# KiCad board C816Classic.kicad_pcb (continued)
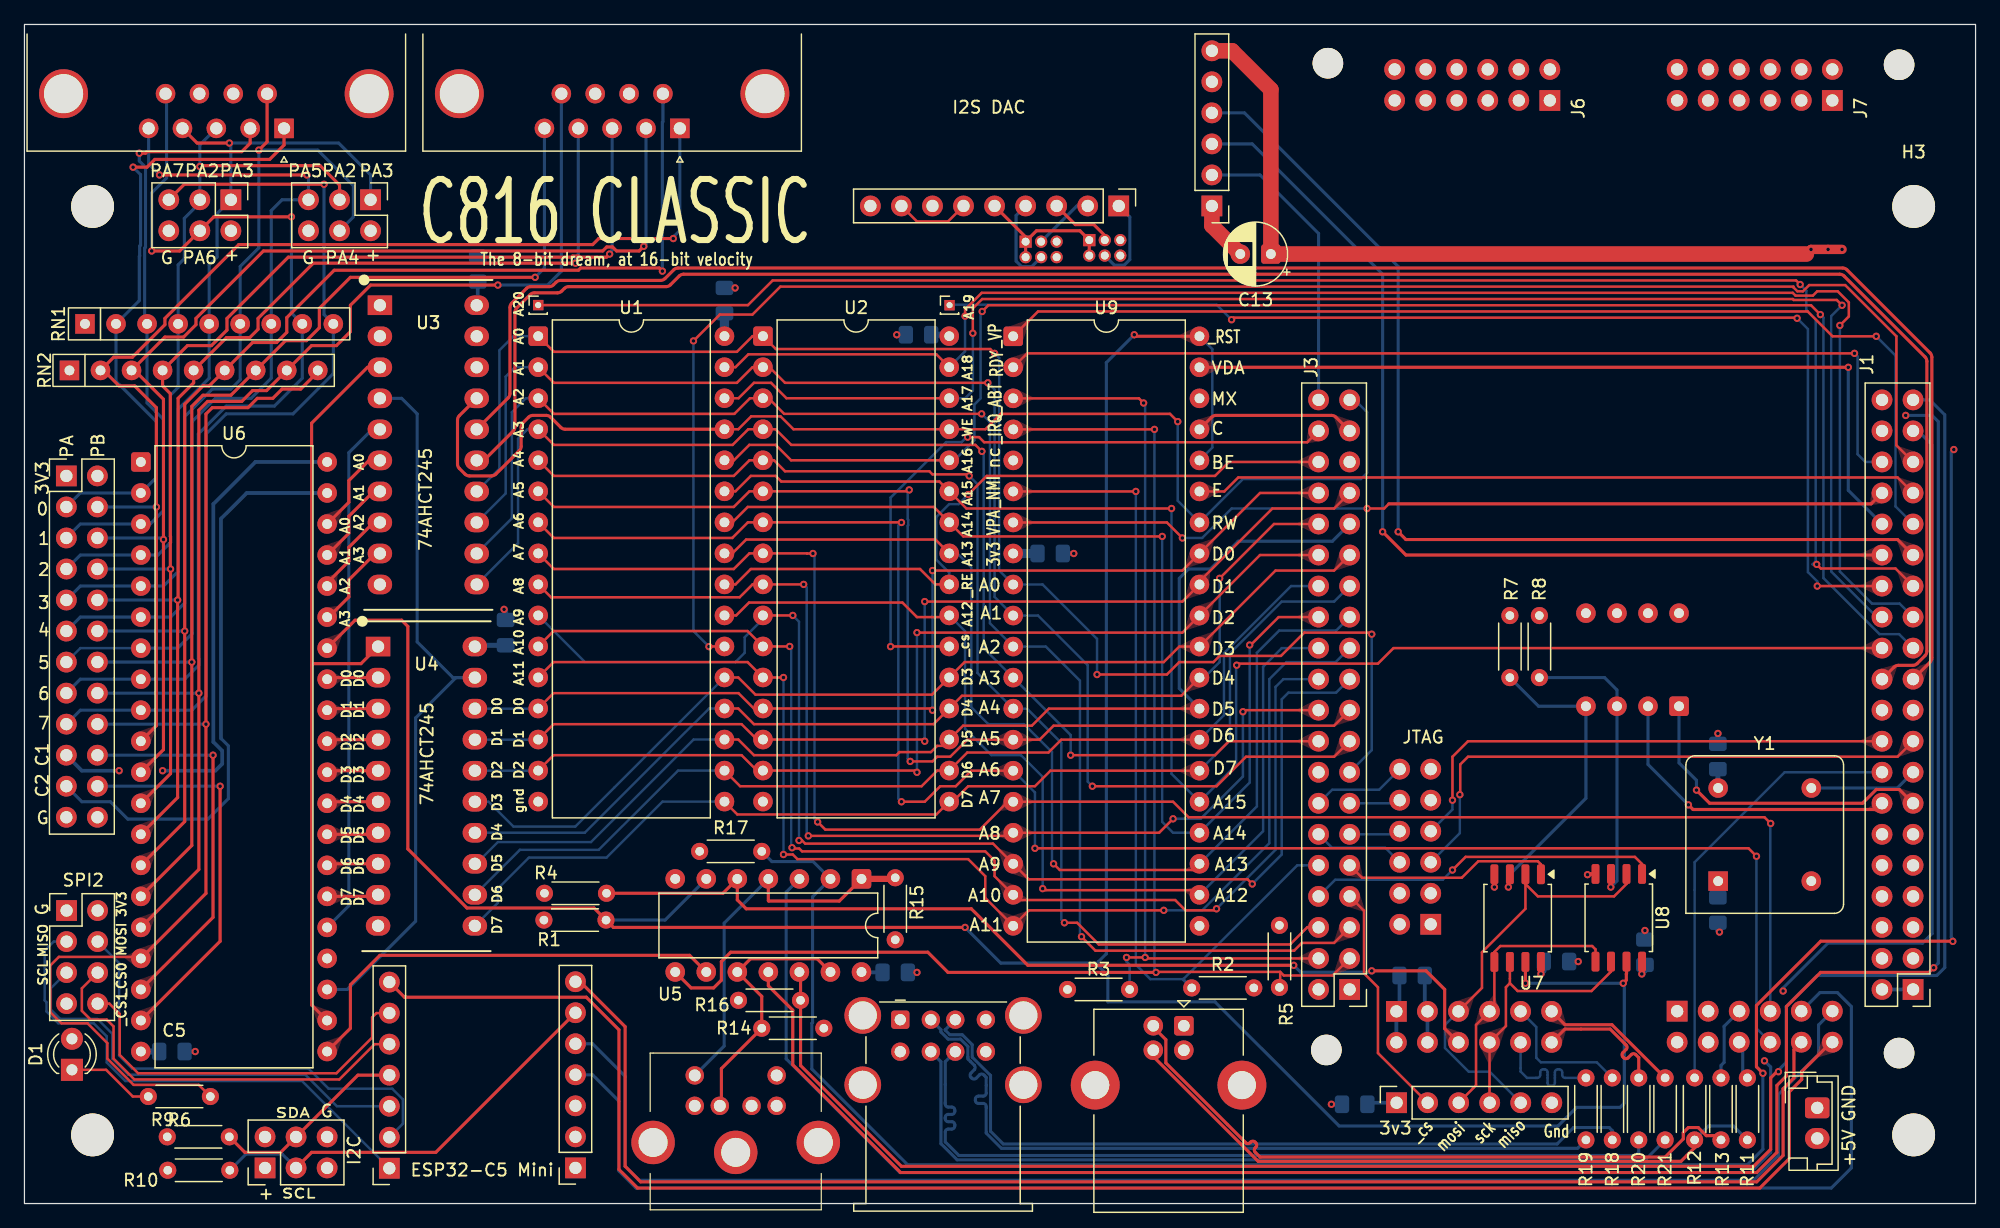
[diagram p0: board, top side]
## Nets
+3V3: C1.1 C2.1 C3.1 C4.1 C5.1 C6.1 C7.1 C8.1 C9.1 C10.1 C11.1 C12.1 D1.2 J1.1 J1.2 J2.1 J2.2 J3.1 J6.1 J6.2 J7.1 J7.2 J8.1 J8.2 J14.1 J15.1 J15.2 J18.1 J21.2 J22.2 J23.7 J24.7 R2.2 R3.2 R4.1 R5.1 R7.1 R8.1 R9.2 R10.2 R16.2 R17.1 RN1.1 RN2.1 U1.32 U2.32 U3.20 U4.20 U6.20 U6.24 U7.8 U8.8 U9.8 Y1.1 Y1.8
/3V3: J19.2
/A3V3: J4.1 J4.2 J5.1 J5.2 J10.5
/AGND: J10.6 J10.8
GND: C1.2 C2.2 C3.2 C4.2 C5.2 C6.2 C7.2 C8.2 C9.2 C10.2 C11.2 C12.2 C13.2 C14.2 J1.5 J1.6 J1.8 J2.3 J2.4 J3.2 J3.16 J4.5 J4.6 J5.5 J5.6 J6.3 J6.4 J7.3 J7.4 J8.3 J8.4 J9.1 J9.5 J13.1 J14.6 J15.23 J15.24 J17.4 J17.SH J18.6 J19.1 J20.2 J21.6 J22.6 J23.8 J24.8 J25.3 J25.7 J25.8 J25.9 J26.1 J26.2 J27.4 J27.8 J27.SH R1.2 SW1.5 SW1.6 SW1.7 SW1.8 U1.16 U2.16 U3.1 U3.10 U3.18 U3.19 U4.10 U5.7 U6.1 U7.4 U8.4 U9.21 Y1.4
VCC: C13.1 C14.1 J1.3 J1.4 J9.6 J13.2 J20.1 J25.4 J27.1 J27.5 R14.2 R15.1 U5.14
/ A13_IOR32A_READY: J1.20
/_CS0: J16.5 J19.6
/_CS1: J16.6 J19.8
/_CS2_VIA: U3.4 U4.19 U6.23
/_IRQ.2: U5.9 U6.21
/_RWVIA: U3.3 U4.1 U6.22
/_WPFLASH: R7.2 SW1.4 U7.3
/_WPFLASH2: R8.2 SW1.3 U8.3
/CA1: J15.19 U6.40
/CA2: J15.21 U6.39
/CB1: J15.20 U6.18
/CB2: J15.22 U6.19
/CLK_IN: J1.15 Y1.5
/DEMP: J5.3 J10.2
/DO NOT USE B10_IOR31B_~{RECFG}: J1.19
/ESP_3V3: J20.3
/ESP_SCL: J18.3 J20.6 R10.1
/ESP_SDA: J16.4 J18.4 R9.1
/F_VCCO0&1: J1.11
/F_VCCO7: J1.12
/FLT: J4.4 J10.1
/FMT: J5.4 J10.4
/JTAG_TCK: J3.12 J26.6
/JTAG_TDI: J3.11 J26.8
/JTAG_TDO: J3.13 J26.10
/JTAG_TMS: J3.14 J26.12
/L: J10.9
/M11_IOR27B_FPGA_TXO: J1.18 J26.7
/MISO2: J16.1 J19.3
/MOSI2: J16.2 J19.4
/PA0: J15.3 J23.1 RN1.2 U6.2
/PA1: J15.5 J23.2 RN1.3 U6.3
/PA2: J15.7 J21.3 J22.3 J23.3 RN1.4 U6.4
/PA3: J15.9 J21.1 J22.1 J23.4 RN1.5 U6.5
/PA4: J15.11 J21.4 J23.6 RN1.6 U6.6
/PA5: J15.13 J21.5 J23.5 RN1.7 U6.7
/PA6: J15.15 J22.4 J23.9 RN1.8 U6.8
/PA7: J15.17 J22.5 RN1.9 U6.9
/PB0: J15.4 J24.1 RN2.2 U6.10
/PB1: J15.6 J24.2 RN2.3 U6.11
/PB2: J15.8 J24.3 RN2.4 U6.12
/PB3: J15.10 J24.4 RN2.5 U6.13
/PB4: J15.12 J24.6 RN2.6 U6.14
/PB5: J15.14 J24.5 RN2.7 U6.15
/PB6: J15.16 J24.9 RN2.8 U6.16
/PB7: J15.18 R6.1 RN2.9 U6.17
/PHI2.2: U3.5 U6.25
/PS2DAT: J25.1 R14.1 U5.10 U5.13
/PSCLK: J25.5 R15.2 U5.1 U5.4
/R: J10.7
/RS0: U3.6 U6.38
/RS1: U3.7 U6.37
/RS2: U3.8 U6.36
/RS3: U3.9 U6.35
/SCL2: J16.3 J19.5
/T3_IOB52B_1V5: J1.9
/T13_IOR8B_FPGA_RXO: J1.17 J26.5
/UD1-N: J27.2 R19.2
/UD1-P: J27.3 R18.2
/UD2-N: J27.6 R21.2
/UD2-P: J27.7 R20.2
/UD3N: J17.2 R13.2
/UD3P: J17.3 R11.2 R12.2
/VD0: U4.2 U6.33
/VD1: U4.3 U6.32
/VD2: U4.4 U6.31
/VD3: U4.5 U6.30
/VD4: U4.6 U6.29
/VD5: U4.7 U6.28
/VD6: U4.8 U6.27
/VD7: U4.9 U6.26
/XSMT: J4.3 J10.3
_ABT.: J3.4 R3.1 U9.3
_CE_RAM1: J3.38 U2.22
_CE_RAM2: J1.35 U1.22
_CESD: J3.7 J14.2
_CSFLASH: J3.9 U7.1
_CSFLASH2: J3.8 U8.1
_CSVIA: J1.21 U3.16
_IRQ.: J3.3 R5.2 U5.8 U9.4
_NMI.: J3.10 R2.1 U9.6
_RE: J3.36 U1.24 U2.24
_RESET: J2.6 R1.1 U5.5
_RESET.: R4.2 U5.6 U6.34 U7.7 U8.7 U9.36 U9.40
_VP.: J1.31 U9.1
A16: J1.23 U1.28 U2.28
A17: J1.26 U1.30 U2.30
A18: J1.25 U1.31 U2.31
A19: J1.28 J11.1
A20: J1.27 J12.1
A_0: J3.15 U1.1 U2.1 U3.14 U9.9
A_1: J3.17 U1.2 U2.2 U3.13 U9.10
A_2: J3.5 U1.3 U2.3 U3.12 U9.11
A_3: J3.18 U1.4 U2.4 U3.11 U9.12
A_4: J3.6 U1.5 U2.5 U9.13
A_5: J3.19 U1.6 U2.6 U9.14
A_6: J8.8 U1.7 U2.7 U9.15
A_7: J8.7 U1.8 U2.8 U9.16
A_8: J3.20 U1.9 U2.9 U9.17
A_9: J3.21 U1.10 U2.10 U9.18
A_10: J3.22 U1.11 U2.11 U9.19
A_11: J3.23 U1.12 U2.12 U9.20
A_12: J3.24 U1.23 U2.23 U9.22
A_13: J3.25 U1.25 U2.25 U9.23
A_14: J3.26 U1.26 U2.26 U9.24
A_15: J1.24 U1.27 U2.27 U9.25
B_TMDS0_N: J7.8
B_TMDS0_P: J7.7
B_TMDS1_N: J7.10
B_TMDS1_P: J7.9
B_TMDS2_N: J7.12
B_TMDS2_P: J7.11
B_TMDSC_N: J7.6
B_TMDSC_P: J7.5
CARD_DET: J1.7
CARD_WP: J1.10
CLKVIA: J1.22 U3.15
D0.: J3.34 U1.13 U2.13 U4.18 U9.33
D1.: J3.33 U1.14 U2.14 U4.17 U9.32
D2.: J3.30 U1.15 U2.15 U4.16 U9.31
D3.: J3.29 U1.21 U2.21 U4.15 U9.30
D4.: J3.32 U1.20 U2.20 U4.14 U9.29
D5.: J3.31 U1.19 U2.19 U4.13 U9.28
D6.: J3.28 U1.18 U2.18 U4.12 U9.27
D7.: J3.27 U1.17 U2.17 U4.11 U9.26
DATADIR: J3.35
E.: J1.33 U9.35
EPS_CTS: J8.9 J20.4
ESP_RTS: J8.11 J20.5
ESP_RX: J8.10 J20.7
ESP_TX: J8.12 J16.7
I2S_BCK: J3.40 J9.2
I2S_DIN: J1.30 J9.3
I2S_LRCK: J1.29 J9.4
MISO: J2.5 J14.5 U7.2 U8.2
MOSI: J2.7 J14.3 U7.5 U8.5
PHI2.: J3.37 U9.37
PS2CLKIN: J1.38 R17.2 U5.2
PS2CLKOUT: J1.37 U5.3
PS2DATIN: J1.39 R16.1 U5.12
PS2DATOUT: J1.40 U5.11
RDY.: J1.36 U9.2
RW.: J3.39 U1.29 U2.29 U3.17 U9.34
SCK: J2.8 J14.4 U7.6 U8.6
SW1: J1.13 SW1.1
SW2: J1.14 SW1.2
TMDS0_N: J6.9
TMDS0_P: J6.10
TMDS1_N: J6.7
TMDS1_P: J6.8
TMDS2_N: J6.5
TMDS2_P: J6.6
TMDSC_N: J6.11
TMDSC_P: J6.12
UD1N: J2.10 R19.1
UD1P: J2.9 R18.1
UD2N: J2.11 R21.1
UD2P: J2.12 R20.1
UD3_N: J8.5 R13.1
UD3_P: J8.6 R11.1
USB3_CON: J1.16 R12.1
VDA.: J1.32 U9.39
VPA.: J1.34 U9.7
Net-(D1-K): D1.1 R6.2

Pads without a net: J17 1; J18 2 5; J19 7; J23 SH; J24 SH; J25 2 6; J26 3 4 9 11; U3 2; U9 5 38

## Via types
v1: diameter 0.6, hole 0.3, Top to Bottom, 144 vias

## Routing (per net, layer and track width the routed paths; a pad name or vN(x,y) marks a point on that pad's centre or on a via; arc(x,y) is an arc through that point)
+3V3: length 29
  Top w0.406: v1(124.08,18.8) U7.8 ; v1(132.33,18.8) 132.33,19.79 132.35,19.8
  Bottom w0.305: U3.20 37.09,73.62 C9.1 ; J1.2 J1.1 ; C2.1 112.5,15.98 J2.1 J2.2 ; J14.1 110,8.25 C8.1
  Bottom w0.406: U4.20 36.96,45.7 C7.1 ; Y1.1 138.56,26.37 C12.1 ; C11.1 132.59,19.05 v1(132.33,18.8) ; C5.1 124.31,19.03 v1(124.08,18.8) ; Y1.8 138.56,34.04 C10.1
  Bottom w0.508: U2.32 75.55,71.12 C4.1 ; C6.1 U6.20
  Bottom w0.762: 75.57,71.1 U2.32 ; 82.89,53.21 U9.8 ; U1.32 57.28,71.01 C3.1
/A3V3: length 12.4
  Top w0.254: J5.2 J5.1 ; J5.1 81.92,79.12 J10.5 ; J5.1 82.8,79.63 86.36,79.63 J4.1 J4.2
/AGND: length 6.1
  Top w0.203: J10.6 75.57,80.39 73.02,80.39 J10.8
GND: length 21.2
  Top w0.305: v1(127.89,26.92) 127.94,26.98 U8.4 ; U7.4 v1(120.27,25.91)
  Top w1.27: C13.2 97.16,80.05 J9.1
  Bottom w0.305: J2.4 J2.3 114.58,15.95 C2.2
  Bottom w0.406: C12.2 138.56,22.35 v1(138.68,22.23) ; C6.2 v1(13.97,12.45) ; C10.2 v1(138.56,38.48) ; C5.2 v1(127.13,19.81) ; C14.2 v1(73.02,18.92) ; C1.2 v1(85.85,53.21) ; v1(58.14,74.95) C3.2 ; C7.2 39.37,48.51 v1(39.24,48.64) ; C4.2 v1(71.37,71.12) ; C8.2 v1(106.93,8.13) ; C11.2 v1(132.59,22.35)
VCC: length 309
  Top w0.762: 145.8,77.72 v1(146.18,78.11) v1(147.57,78.11) v1(148.72,78.11)
  Top w1.27: 145.8,77.72 C13.1 101.98,91.19 98.81,94.36 J9.6
  In2.Cu w0.508: U5.14 71.12,21.59 R15.1 ; U5.14 66.42,16.89 65.66,16.89 65.41,16.64 R14.2 ; U5.14 68.52,18.92
  In2.Cu w0.762: J1.3 155.07,20.07 ; v1(146.18,78.11) 148.97,78.11 158.5,68.58 158.5,62.27 158.69,62.07 158.69,18.36 156.21,15.88 150.11,15.88 149.86,15.62
  In2.Cu w1.27: 61.47,1.63 61.55,1.7 J25.4 ; 61.47,1.63 73.38,1.63 73.91,2.16 ; 61.47,1.63 46.38,1.63 J20.1 ; J1.3 J1.4 149.86,20.07 149.86,20.07 149.86,6.1 147.95,4.19 ; 147.95,4.19 145.42,1.65 74.42,1.65 73.91,2.16 ; 147.95,4.19 147.83,4.19 J13.2 ; 73.91,2.16 73.91,9.02 71.66,11.27 J27.5 J27.1 71.66,15.78 U5.14
  Bottom w0.305: C14.1 68.52,18.92 U5.14
/_CS0: length 33.9
  Top w0.203: J19.6 4.7,17.62 4.7,15.77 5.41,15.06 6.73,15.06 7.29,14.5 7.29,11.86 8.99,10.16 25.76,10.16 28.65,13.05 J16.5
/_CS1: length 31.2
  Top w0.203: J16.6 28.8,15.59 28.45,15.24 28.45,13.59 25.53,10.67 9.3,10.67 7.8,12.17 7.8,15.52 6.95,16.37 J19.8
/_CS2_VIA: length 60.6
  Bottom w0.254: U3.4 30.86,65.91 32.13,64.64 32.13,45.97 35.05,43.05 U4.19 35.31,43.05 32,39.75 32,23.11 26.42,17.53 U6.23
/_IRQ.2: length 36.9
  Top w0.254: U5.9 54.42,20.32 29.08,20.32 26.67,17.91 26.67,14.35 U6.21
/_RWVIA: length 63
  Top w0.254: 23.5,44.07 23.5,16.26 U6.22 ; 23.5,44.07 23.5,63.88 28.07,68.45 U3.3 ; 23.5,44.07 23.62,44.2 27.54,44.2 U4.1
/_WPFLASH: length 25.7
  Top w0.254: v1(121.41,25.91) 121.41,26.83 U7.3
  Bottom w0.254: v1(121.41,25.91) 121.41,26.83 127.76,33.18 SW1.4 123.88,40.71 R7.2
/_WPFLASH2: length 24.2
  Top w0.254: 129.81,26.98 129.79,26.96 v1(129.79,25.91)
  Bottom w0.254: v1(129.79,25.91) 130.3,26.41 SW1.3 130.3,42.04 129.29,43.05 R8.2
/CA1: length 46.8
  In2.Cu w0.305: v1(11.3,35.43) 10.07,34.2 8.98,34.2 v1(7.75,35.43)
  Bottom w0.305: v1(7.75,35.43) 4.7,35.43 J15.19 ; U6.40 18.9,60.71 15.46,57.26 15.46,37.78 16.18,37.06 16.18,35.99 15.62,35.43 v1(11.3,35.43)
/CA2: length 47.8
  Bottom w0.254: 16.08,38.07 16.69,37.47 16.69,33.15 15.01,31.47 8.46,31.47 7.04,32.89 4.7,32.89 J15.21
  Bottom w0.305: 16.08,38.07 16.08,56.06 18.19,58.17 U6.39
/CB1: length 31.1
  Top w0.254: U6.18 15.43,23.43 v1(15.43,36.7)
  Bottom w0.254: J15.20 v1(15.43,36.7)
/CB2: length 31.9
  Top w0.254: v1(16.01,34.16) 16.01,21.47 U6.19
  Bottom w0.254: J15.22 v1(16.01,34.16)
/CLK_IN: length 8.9
  Bottom w0.254: Y1.5 153.23,34.02 J1.15
/DEMP: length 5
  Bottom w0.254: J10.2 86.11,81.66 J5.3
/ESP_SCL: length 34.6
  Top w0.254: J18.3 23.5,4.19 33.66,4.19 J20.6
  Bottom w0.254: J18.3 21.1,4.05 18.12,4.05 R10.1
/ESP_SDA: length 16.2
  Top w0.254: R9.1 18.03,4.19 20.96,4.19 27.28,10.51 J16.4
/FLT: length 7.3
  Bottom w0.254: J10.1 90.44,80.75 90.44,77.27 89.98,76.82 89.17,76.82 J4.4
/FMT: length 7.4
  Bottom w0.254: J10.4 81.14,80.88 81.14,77.15 81.59,76.69 82.41,76.69 J5.4
/JTAG_TCK: length 7.6
  Bottom w0.203: J26.6 111.34,29.12 106.99,29.12 J3.12
/JTAG_TDI: length 4.2
  Bottom w0.203: J26.8 112.27,30.23 J3.11
/JTAG_TDO: length 4.2
  Bottom w0.203: J3.13 112.27,32.77 J26.10
/JTAG_TMS: length 7.8
  Bottom w0.203: J3.14 106.99,33.87 110.83,33.87 J26.12
/M11_IOR27B_FPGA_TXO: length 42.5
  Top w0.203: v1(116.84,33.02) 116.84,36.58 118.11,37.85 J1.18
  Bottom w0.203: v1(116.84,33.02) 116.84,32.26 J26.7
/MISO2: length 41.8
  Bottom w0.203: J19.3 2.4,21.45 1.65,20.7 1.65,16.64 1.8,16.48 1.8,15.73 2.77,14.76 5.66,14.76 6.73,13.69 6.73,11.56 8.26,10.03 22.71,10.03 J16.1
/MOSI2: length 38.5
  Bottom w0.203: 5.84,21.59 J19.4 7.75,19.69 7.75,12.12 8.81,11.05 23.24,11.05 24.88,9.41 30.09,9.41 30.96,8.54 30.96,6.53 J16.2
/PA0: length 50.7
  Top w0.254: J23.1 21.24,86.65 20.07,85.47 10.67,85.47 10.03,84.84 v1(8.89,84.84)
  Bottom w0.254: J15.3 4.57,58.17 U6.2 10.8,59.44 10.8,64.01 7.49,67.31 RN1.2 9.4,73.91 9.4,77.54 9.43,77.57 9.43,78.39 9.5,78.46 9.5,84.23 v1(8.89,84.84)
/PA1: length 49.6
  Top w0.254: v1(9.4,85.98) 9.91,85.98 10.03,86.11 17.78,86.11 18.47,86.8 J23.2
  Bottom w0.254: v1(9.4,85.98) 9.4,85.34 9.75,84.99 9.75,84.92 9.91,84.77 9.91,78.29 9.83,78.22 9.83,72.21 RN1.3 10.03,65.53 11.37,64.19 11.37,56.71 10.29,55.63 U6.3 4.57,55.63 J15.5
/PA2: length 58.2
  Top w0.254: v1(14.35,84.89) 14.42,84.96 24.19,84.96 25.78,83.37 J21.3
  Bottom w0.254: J15.7 4.57,53.09 U6.4 10.92,53.09 11.95,54.12 11.95,54.6 11.94,54.61 11.94,66.17 12.57,66.8 RN1.4 12.57,76.84 13.08,77.34 13.08,80.65 14.35,81.92 J22.3 14.35,86.66 J23.3
/PA3: length 66
  Top w0.254: J23.4 14.13,86.81 v1(16.76,86.81)
  Bottom w0.254: J21.1 28.32,84.2 25.71,86.81 v1(16.76,86.81) 16.89,86.69 J22.1 15.76,81.04 15.76,77.48 15.11,76.84 RN1.5 15.11,67.56 12.57,65.02 12.57,51.74 11.38,50.55 U6.5 4.57,50.55 J15.9
/PA4: length 69.6
  Top w0.254: v1(19.18,86.23) 19.86,86.91 J23.6
  Bottom w0.254: J21.4 26.91,80.76 26.91,83.33 24,86.23 v1(19.18,86.23) 19.18,78.23 17.65,76.71 RN1.6 17.65,67.44 16.89,66.68 15.37,66.68 13.11,64.42 13.11,49.16 11.96,48.01 U6.6 4.57,48.01 J15.11 3.43,46.99 3.68,47.24
/PA5: length 72
  Top w0.254: v1(23.11,84.2) v1(11.05,84.2)
  Bottom w0.203: J15.13 4.57,45.47 U6.7
  Bottom w0.254: 10.16,88.01 10.16,85.09 v1(11.05,84.2) ; U6.7 12.53,45.47 13.72,46.65 13.72,64.01 15.62,65.91 18.54,65.91 20.19,67.56 RN1.7 20.19,81.28 21.08,82.17 J21.5 23.24,84.07 v1(23.11,84.2)
/PA6: length 80.7
  Top w0.254: v1(10.41,77.98) 12.7,77.98 J22.4 15.49,80.77 v1(21.84,80.77)
  Bottom w0.254: J23.9 11.63,90.77 11.63,83.95 10.41,82.73 v1(10.41,77.98) ; v1(21.84,80.77) 21.84,72.9 RN1.8 22.73,67.56 20.45,65.28 16.51,65.28 14.22,62.99 14.22,44.61 14.27,44.56 14.27,44.08 13.11,42.93 U6.8 4.57,42.93 J15.15
/PA7: length 75.3
  Top w0.254: J22.5 13.08,83.44 v1(24.51,83.44)
  Bottom w0.254: v1(24.51,83.44) 24.51,72.77 RN1.9 25.27,67.94 21.97,64.64 16.51,64.64 14.86,62.99 14.86,41.55 13.69,40.39 U6.9 4.57,40.39 J15.17
/PB0: length 100.2
  Top w0.254: v1(53.09,78.99) 46.99,78.99 46.5,78.5 17.54,78.5 11.49,72.46 11.49,71.94 8.83,69.28 7.3,69.28 RN2.2 6.48,68.2 7.75,66.93 9.02,66.93 10.8,65.15 v1(10.8,57.02) 10.8,39.12 U6.10
  Bottom w0.254: v1(10.8,57.02) J15.4 6.6,57.02 6.73,57.15 ; J24.1 53.63,79.66 53.09,79.12 v1(53.09,78.99)
/PB1: length 96.8
  Top w0.254: v1(50.67,78.36) 50.29,77.98 48.44,77.98 48.12,78.3 47.64,78.3 47.31,77.98 19.56,77.98 14.03,72.46 14.03,71.94 13.02,70.93 11.49,70.93 RN2.3 9.02,68.2 11.37,65.84 v1(11.37,54.36) 11.37,37.16 U6.11
  Bottom w0.254: J15.6 11.25,54.48 v1(11.37,54.36) ; J24.2 50.86,78.54 v1(50.67,78.36)
/PB2: length 94.2
  Top w0.254: v1(47.88,77.72) 47.63,77.47 45.41,77.47 45.32,77.56 44.85,77.56 44.76,77.47 21.59,77.47 16.57,72.45 16.57,71.5 15.3,70.23 13.34,70.23 RN2.4 11.3,66.93 11.94,66.29 11.94,54.61 11.95,54.6 11.95,54.12 11.94,54.1 11.94,51.96 v1(11.95,51.94) 11.95,35.19 U6.12
  Bottom w0.254: v1(47.88,77.72) 47.88,77.85 48.08,78.06 J24.3 ; J15.8 v1(11.95,51.94)
/PB3: length 92.9
  Top w0.254: v1(45.08,76.98) 23.64,76.98 19.11,72.46 19.11,71.56 18.44,70.89 16.54,70.89 RN2.5 13.84,67.18 12.57,65.91 12.57,49.44 v1(12.53,49.4) 12.53,33.23 U6.13
  Bottom w0.254: J15.10 v1(12.53,49.4) ; J24.4 45.32,77.7 45.08,77.47 v1(45.08,76.98)
/PB4: length 105.4
  Top w0.254: U6.14 13.11,31.27 v1(13.11,46.86) 13.11,65.44 14.61,66.93 15.11,66.93 RN2.6 18.67,70.49 20.63,70.49 21.46,71.31 21.46,72.52 25.34,76.4 45.32,76.4 45.51,76.58 51.94,76.58 v1(52.2,76.33)
  Bottom w0.254: 52.24,90.85 52.24,88.56 52.2,88.52 v1(52.2,76.33) ; J15.12 v1(13.11,46.86)
/PB5: length 95.5
  Top w0.254: v1(41.78,75.82) 26.67,75.82 24.13,73.28 24.13,71.69 23.08,70.64 21.36,70.64 RN2.7 16.89,66.17 14.61,66.17 13.69,65.25 v1(13.69,44.32) 13.69,29.31 U6.15
  Bottom w0.254: J15.14 v1(13.69,44.32) ; v1(41.78,75.82) 42.55,76.58 J24.5
/PB6: length 102.8
  Top w0.254: U6.16 14.27,27.35 v1(14.27,41.78) 14.27,64.94 14.99,65.66 17.78,65.66 18.67,66.55 19.81,66.55 RN2.8 23.5,70.23 25.53,70.23 26.67,71.37 26.67,73.53 28.32,75.18 v1(38.73,75.18)
  Bottom w0.254: v1(38.73,75.18) 42.8,75.18 43.93,76.32 J24.9 ; J15.16 v1(14.27,41.78)
/PB7: length 94.8
  Top w0.203: U6.17 9.4,20.19 2.82,20.19 2.11,19.48 2.11,15.67 3.02,14.76 5.16,14.76 6.78,13.13 6.78,11.87 8.93,9.72 14.26,9.72 R6.1
  Top w0.254: RN2.9 24.13,68.07 24,68.07 22.61,66.68 21.08,66.68 20.32,65.91 19.05,65.91 18.29,65.15 15.37,65.15 14.85,64.63 v1(14.85,39.24) 14.85,25.39 U6.17
  Bottom w0.254: J15.18 v1(14.85,39.24)
/PHI2.2: length 42.9
  Bottom w0.254: U6.25 26.54,24.38 26.54,61.47 28.45,63.37 U3.5
/PS2DAT: length 21.7
  Top w0.254: J25.1 57.02,8.13 57.02,11.05 R14.1 60.33,16.96 U5.10 59.41,20.04 64.87,20.04 U5.13
/PSCLK: length 31.5
  Top w0.254: U5.4 60.87,24.8 60.9,24.77 66.67,24.77 U5.1
  Top w0.508: U5.1 71.15,26.58 R15.2
  Bottom w0.254: U5.4 57.25,22.96 57.25,12.89 J25.5
/RS0: length 7.5
  Top w0.254: U6.38 26.54,57.4 26.54,59.18 28.19,60.83 U3.6
/RS1: length 7.3
  Top w0.254: U3.7 28.58,58.29 26.54,56.26 26.54,54.86 U6.37
/RS2: length 7.3
  Top w0.254: U3.8 28.58,55.75 26.54,53.72 26.54,52.58 24.77,50.8 U6.36
/RS3: length 7.3
  Top w0.254: U6.35 24.89,48.01 26.54,49.66 26.54,51.05 28.7,53.21 U3.9
/SCL2: length 35.7
  Bottom w0.203: J19.5 2.16,17.62 2.16,15.88 2.92,15.11 5.97,15.11 7.19,13.89 7.19,11.86 8.51,10.54 22.99,10.54 25.56,7.97 J16.3
/T13_IOR8B_FPGA_RXO: length 46.8
  Top w0.203: v1(117.44,33.47) 117.48,33.5 117.48,35.94 118.11,36.58 153.26,36.58 J1.17
  Bottom w0.203: v1(117.44,33.47) 117.44,30.32 J26.5
/UD1-N: length 64.3
  Bottom w0.254: J27.2 74.99,14.23 74.99,14.05 75.57,13.46 76.59,13.46 77.19,12.86 77.19,12.01 77.19,12 77.19,11.84 77.72,11.31 77.72,11.3 arc(77.79,11.13) 77.72,10.96 77.44,10.68 arc(77.37,10.51) 77.44,10.34 77.52,10.25 arc(77.69,10.18) 77.86,10.25 78.15,10.54 arc(78.32,10.61) 78.49,10.54 78.69,10.34 78.69,9.04 arc(78.62,8.87) 78.45,8.8 78.05,8.8 arc(77.88,8.73) 77.81,8.56 77.81,8.44 arc(77.88,8.27) 78.05,8.2 78.45,8.2 arc(78.62,8.13) 78.69,7.96 78.69,5.77 79.94,4.52 127.08,4.52 R19.2
/UD1-P: length 64.3
  Bottom w0.254: J27.3 75.34,14.23 75.34,14.19 75.72,13.82 76.74,13.82 77.55,13.01 77.55,11.99 79.04,10.49 79.04,5.92 80.08,4.88 125.4,4.88 126.75,6.22 129.67,6.22 129.92,5.97 R18.2
/UD2-N: length 68.3
  Bottom w0.254: J27.6 74.99,11.61 74.99,4.9 76.31,3.58 132.61,3.58 R21.2
/UD2-P: length 68.3
  Bottom w0.254: J27.7 75.34,11.61 75.34,8.14 arc(75.41,7.97) 75.58,7.9 75.88,7.9 arc(76.05,7.83) 76.12,7.66 76.12,7.54 arc(76.05,7.37) 75.88,7.3 75.58,7.3 arc(75.41,7.23) 75.34,7.06 75.34,6.94 arc(75.41,6.77) 75.58,6.7 75.88,6.7 arc(76.05,6.63) 76.12,6.46 76.12,6.34 arc(76.05,6.17) 75.88,6.1 75.58,6.1 arc(75.41,6.03) 75.34,5.86 75.34,5.05 76.45,3.93 131.82,3.93 132.08,4.19 R20.2
/UD3N: length 54.5
  Top w0.254: R13.2 138.46,5.56 137.61,5.56 136.95,6.22 136.14,6.22 135.73,5.8 135.73,5.29 134.24,3.81 101.09,3.81 100.69,4.21 arc(100.62,4.38) 100.69,4.55 100.76,4.62 arc(100.83,4.79) 100.76,4.96 100.67,5.04 arc(100.5,5.11) 100.33,5.04 100.27,4.97 arc(100.1,4.9) 99.93,4.97 93.39,11.51 93.39,13.42 92.71,14.09 92.71,14.2 J17.2
/UD3P: length 54.7
  Top w0.254: J17.3 92.36,12.04 100.94,3.45 135.53,3.45 136.65,4.57 R12.2
  Bottom w0.254: R11.2 139.83,6.35 137.8,6.35 R12.2
/VD0: length 4.2
  Top w0.254: U6.33 24.89,43.05 U4.2
/VD1: length 4.2
  Top w0.254: U4.3 24.89,40.51 U6.32
/VD2: length 4.2
  Top w0.254: U6.31 24.89,37.97 U4.4
/VD3: length 4.2
  Top w0.254: U4.5 24.89,35.43 U6.30
/VD4: length 4.2
  Top w0.254: U6.29 24.89,32.89 U4.6
/VD5: length 4.2
  Top w0.254: U6.28 28.81,30.23 U4.7
/VD6: length 4.2
  Top w0.254: U6.27 24.89,27.81 U4.8
/VD7: length 4.2
  Top w0.254: U4.9 28.81,25.15 U6.26
/XSMT: length 5.3
  Top w0.254: J4.3 88.39,79.24 87.5,80.14 85.98,80.14 J10.3
_ABT.: length 74.7
  Top w0.203: v1(91.57,65.53) 91.19,65.91 U9.3 ; v1(90.17,20.15) v1(91.69,20.15) 91.74,20.15 91.82,20.07 J3.4
  Bottom w0.203: v1(91.57,65.53) 91.69,65.41 v1(91.69,20.15) ; v1(90.17,20.15) 90.17,19.81 90.42,19.56 R3.1
_CE_RAM1: length 54.6
  Top w0.203: U2.22 70.88,45.6 v1(70.87,45.59) ; v1(77.17,62.74) 78.11,62.74 78.52,62.32 104.96,62.32 J3.38
  Bottom w0.203: v1(70.87,45.59) 70.87,57.79 75.41,62.33 76.68,62.33 77.09,62.74 v1(77.17,62.74)
_CE_RAM2: length 140.1
  Top w0.203: J1.35 153.16,62.07 153.16,70.99 148.97,75.18 146.03,75.18 145.52,74.68 145.06,74.68 144.73,75 144.73,75.06 61.85,75.06 59.56,72.77 56.9,72.77 v1(54.74,70.61) ; U1.22 56.02,45.6 v1(56.01,45.59)
  Bottom w0.203: v1(56.01,45.59) 54.74,46.86 v1(54.74,70.61)
_CESD: length 19.5
  Top w0.203: J3.7 109.61,23.97 109.61,18.84 110.74,17.7 110.74,12.32 J14.2
_CSFLASH: length 17.6
  Top w0.203: U7.1 124.08,27.77 123.82,28.02 118.95,28.02 117.6,26.67 109.44,26.67 J3.9
_CSFLASH2: length 28.9
  Top w0.203: v1(116.84,27.31) 117.91,28.38 131.77,28.38 132.35,27.79 132.35,26.98
  Bottom w0.203: J3.8 107.24,26.5 116.04,26.5 v1(116.84,27.31)
_CSVIA: length 158.8
  Top w0.254: U3.16 39.58,65.95 arc(39.69,66.11) 39.73,66.3 39.73,73.35 arc(39.76,73.55) 39.87,73.71 41.07,74.91 arc(41.24,75.02) 41.43,75.06 42.93,75.06 arc(43.12,75.1) 43.28,75.2 43.5,75.42 arc(43.66,75.53) 43.85,75.57 52.05,75.57 arc(52.24,75.6) 52.4,75.71 53.12,76.43 arc(53.29,76.54) 53.48,76.58 148.76,76.58 arc(148.96,76.54) 149.12,76.43 155.92,69.64 arc(156.02,69.47) 156.06,69.28 156.06,44.67 arc(156.02,44.48) 155.92,44.32 J1.21
_IRQ.: length 116.6
  Top w0.2: 102.74,18.96 102.74,17.75 102.68,17.69
  Top w0.203: v1(92.58,18.92) 92.62,18.96 102.74,18.96 103.04,18.67 107.03,18.67 J3.3 ; U9.4 v1(92.46,63.37)
  Top w0.254: v1(92.58,18.92) 75.57,18.92 73.91,20.57 57.79,20.57 57.02,19.81 57.02,18.29 56.39,17.65 54.55,17.65 U5.8
  Bottom w0.203: v1(92.46,63.37) 92.46,19.05 v1(92.58,18.92)
_NMI.: length 69.1
  Top w0.203: U9.6 v1(90.93,58.29)
  Bottom w0.203: J3.10 104.65,27.69 104.65,27.69 104.14,27.69 94.82,18.37 92.12,18.37 90.93,19.56 v1(90.93,58.29)
  Bottom w0.254: 94.82,18.37 94.82,18.33 R2.1
_RE: length 58.5
  Top w0.203: U1.24 58.18,50.68 59.44,51.94 73.27,51.94 74.53,50.68 U2.24 ; v1(77.22,58.04) 78.74,59.56 97.41,59.56 98.55,60.71 105.88,60.71 J3.36
  Bottom w0.203: U2.24 75.67,51.64 74.61,52.7 74.61,56.2 75.66,57.25 76.43,57.25 v1(77.22,58.04)
_RESET: length 79.5
  Top w0.254: 110.11,19.05 v1(110.24,19.05) 114.68,19.05 116.2,17.53 116.2,14.32 J2.6 ; R1.1 57.15,25.4 U5.5 58.33,24.86 59.05,24.13 77.47,24.13 82.1,19.5 v1(103.85,19.5)
  Bottom w0.203: 117.48,13.46 117.48,13.33 J2.6
  Bottom w0.254: 117.63,12.95 117.86,13.18 117.86,13.3 ; 110.11,19.05 110,18.94 104.42,18.94 v1(103.85,19.5)
_RESET.: length 237.3
  Top w0.254: U8.7 131.08,18.81 131.06,18.8 131.06,18.29 v1(130.81,18.03) ; v1(76.96,22.61) 48.19,22.61 R4.2 46.6,24.19 36.21,24.19 31.37,29.03 31.37,47.24 30.86,47.75 27.05,47.75 U6.34 ; v1(122.81,18.03) U7.7 ; U9.40 90.93,70.99 v1(90.8,71.12)
  Bottom w0.203: U9.36 97.19,61.89 97.19,69.94 U9.40
  Bottom w0.254: v1(76.96,22.61) 79.88,19.69 87.63,19.69 ; R4.2 52.42,23.21 U5.6 ; 87.63,19.69 87.88,19.69 87.88,19.81 88.52,20.45 88.52,68.83 v1(90.8,71.12) ; 87.63,19.69 88.65,18.67 88.65,16.51 97.41,16.51 107.57,6.35 125.48,6.35 127,7.87 130.56,7.87 130.9,8.22 130.9,17.94 v1(130.81,18.03) v1(122.81,18.03)
_VP.: length 88.9
  Top w0.203: U9.1 82.93,73.03 145.9,73.03 147.93,70.99 v1(151.51,70.99)
  Bottom w0.203: J1.31 153.09,57.06 153.09,69.41 v1(151.51,70.99)
A16: length 133.5
  Top w0.203: v1(146.94,72.77) 146.18,73.53 78.87,73.53 v1(78.36,73.03) ; U1.28 58.05,60.84 59.31,62.1 61.47,62.1 62.73,60.84 U2.28
  Bottom w0.203: v1(78.36,73.03) 78.23,72.9 78.23,65.91 77.72,65.41 77.72,62.48 76.08,60.84 U2.28 ; v1(146.94,72.77) 147.19,72.52 147.19,51.2 151.79,46.61 153.38,46.61 J1.23
A17: length 127.9
  Top w0.203: U1.30 58.43,65.92 59.69,67.18 61.09,67.18 62.35,65.92 U2.30 ; v1(77.6,71.25) 77.6,73.28 78.36,74.04 144.69,74.04 144.76,73.96 148.29,73.96 v1(148.72,73.53)
  Bottom w0.203: v1(148.72,73.53) 147.83,72.64 147.83,51.74 151.56,48.01 J1.26 ; v1(77.6,71.25) 77.6,66.55 76.97,65.92 U2.30
A18: length 127.9
  Top w0.203: U1.31 58.18,68.46 59.23,69.52 74.61,69.52 U2.31 ; v1(148.53,71.88) 149.27,72.62 149.27,73.76 148.36,74.68 146.69,74.68 146.33,74.32 144.91,74.32 144.68,74.55 78.33,74.55 76.96,73.18 v1(76.96,72.64)
  Bottom w0.203: U2.31 76.96,69.76 v1(76.96,72.64) ; v1(148.53,71.88) 148.53,51.74 151.17,49.11 153.42,49.11 J1.25
A19: length 97.9
  Top w0.203: v1(98.77,72.35) 98.93,72.52 144.99,72.52 v1(145.03,72.47) ; v1(146.69,50.55) J1.28
  Bottom w0.203: v1(98.77,72.35) 97.54,73.58 75.73,73.58 J11.1 ; v1(146.69,50.55) 146.69,50.93 145.92,51.69 145.92,71.58 v1(145.03,72.47)
A20: length 136.7
  Top w0.203: J12.1 59.2,73.54 61.22,75.57 144.95,75.57 v1(145.29,75.23) ; J1.27 153.09,51.98 146.98,51.98 v1(146.64,52.32)
  Bottom w0.203: v1(145.29,75.23) 145.8,74.72 145.8,73.13 146.56,72.37 146.56,52.58 146.3,52.32 v1(146.64,52.32)
A_0: length 122.1
  Top w0.2: U2.1 61.48,69.95 79.02,69.95 v1(79.38,69.6)
  Top w0.203: U2.1 59.57,71 58.29,69.72 43.32,69.72 U1.1 ; v1(110.24,46.61) 110.11,46.74 104.71,46.74 102.81,44.83 97.79,44.83 97.28,44.32 94.49,44.32 93.47,43.31 v1(87.76,43.31)
  Bottom w0.2: v1(79.38,69.6) 79.76,69.22 79.76,51.82 U9.9
  Bottom w0.203: v1(110.24,46.61) 110.24,37.12 J3.15 ; U3.14 38.86,60.15 38.86,69.85 40.02,71 U1.1 ; v1(87.76,43.31) 87.76,46.22 83.31,50.67 U9.9
A_1: length 114.6
  Top w0.2: v1(78.82,67.18) 62.23,67.18 60.95,68.46 U2.2
  Top w0.203: v1(87.38,34.16) 97.54,34.16 99.95,36.58 107.15,36.58 J3.17 ; U1.2 43.32,67.18 58.29,67.18 59.57,68.46 U2.2
  Bottom w0.2: U9.10 79.38,49.66 79.38,66.63 v1(78.82,67.18)
  Bottom w0.203: U3.13 39.37,58.12 39.37,67.69 40.14,68.46 U1.2 ; v1(87.38,34.16) 86.99,34.54 86.99,44.07 82.93,48.13 U9.10
A_2: length 124.2
  Top w0.2: v1(78.31,64.64) 62.16,64.64 60.88,65.92 U2.3
  Top w0.203: J3.5 107.15,21.34 104.52,21.34 103.89,20.7 87.63,20.7 v1(86.49,21.84) ; U2.3 59.36,65.92 58.08,64.64 43.32,64.64 U1.3
  Bottom w0.2: v1(78.31,64.64) 78.99,63.96 78.99,47.5 U9.11
  Bottom w0.203: v1(86.49,21.84) 86.36,21.97 86.36,42.8 83.57,45.59 U9.11 ; U3.12 39.88,56.09 39.88,64.77 41.03,65.92 U1.3
A_3: length 102.1
  Top w0.2: U2.4 61.46,63.38 62.74,62.1 77.81,62.1 v1(78.34,61.57)
  Top w0.203: U2.4 59.22,63.38 57.94,62.1 43.32,62.1 U1.4 ; v1(85.6,36.7) 97.41,36.7 98.55,37.85 J3.18
  Bottom w0.2: U9.12 78.49,45.47 78.49,61.42 v1(78.34,61.57)
  Bottom w0.203: U3.11 40.39,54.06 40.39,62.61 41.16,63.38 U1.4 ; v1(85.6,36.7) 85.6,38.35 U9.12
A_4: length 99.9
  Top w0.2: U2.5 61.33,60.84 62.23,59.94 74.04,59.94 74.3,59.69 77.17,59.69 v1(77.3,59.56)
  Top w0.203: v1(85.09,22.99) 86.13,22.99 87.91,21.21 103.55,21.21 104.95,22.61 J3.6 ; U2.5 59.32,60.84 58.04,59.56 43.32,59.56 U1.5
  Bottom w0.2: 81.41,40.51 U9.13 77.98,43.43 77.98,58.88 v1(77.3,59.56)
  Bottom w0.203: U9.13 82.03,40.51 84.84,37.71 84.84,23.24 v1(85.09,22.99)
A_5: length 91.6
  Top w0.2: v1(72.39,58.42) 72.27,58.3 U2.6 ; v1(72.47,36.2) 74.3,36.2 74.68,36.58 75.75,36.58 77.14,37.97 U9.14
  Top w0.203: J3.19 107.15,39.12 84.2,39.12 83.06,37.97 U9.14 ; U1.6 43.32,57.02 58.04,57.02 59.32,58.3 U2.6
  Bottom w0.2: v1(72.47,36.2) 72.26,36.4 72.26,55.48 72.31,55.52 72.31,55.98 72.26,56.03 72.26,58.29 v1(72.39,58.42) ; 42.02,58.29 U1.6
A_6: length 146.1
  Top w0.203: v1(71.76,32.89) 73.66,32.89 74.93,34.16 76.2,34.16 77.47,35.43 U9.15 ; v1(141.71,28.43) 141.06,29.08 v1(82.68,29.08) ; v1(71.76,55.75) 71.74,55.76 U2.7 59.19,55.76 57.91,54.48 43.32,54.48 U1.7
  Bottom w0.203: v1(71.76,55.75) 71.5,55.5 71.5,33.15 v1(71.76,32.89) ; J8.8 141.71,14.34 v1(141.71,28.43) ; v1(82.68,29.08) 82.68,33.66 U9.15
A_7: length 141
  Top w0.203: v1(142.88,31.12) 142.37,31.62 95.25,31.62 93.98,32.89 U9.16 80.45,32.89 78.17,30.61 65.53,30.61 v1(64.9,31.24) ; v1(64.52,53.21) 64.03,53.21 64.02,53.22 U2.8 59.32,53.22 58.04,51.94 43.32,51.94 U1.8
  Bottom w0.203: J8.7 142.84,31.08 v1(142.88,31.12) ; v1(64.9,31.24) 64.64,31.5 64.64,53.09 v1(64.52,53.21)
A_8: length 92.5
  Top w0.2: U9.17 80.64,30.1 v1(64.14,30.1) ; v1(63.75,50.68) U2.9
  Top w0.203: v1(99.7,40.26) 99.82,40.39 J3.20 ; U9.17 92.84,30.35 v1(93.98,31.5) ; U1.9 43.09,49.63 58.52,49.63 59.57,50.68 U2.9
  Bottom w0.2: v1(64.14,30.1) 64.01,30.23 64.01,50.43 v1(63.75,50.68)
  Bottom w0.203: v1(99.7,40.26) 99.7,34.96 96.23,31.5 v1(93.98,31.5)
A_9: length 104.5
  Top w0.2: v1(63.37,29.72) 63.62,29.72 63.88,29.46 79.25,29.46 U9.18 ; v1(62.86,48.14) U2.10
  Top w0.203: v1(100.46,26.16) 100.08,26.54 82.17,26.54 U9.18
  Bottom w0.2: v1(63.37,29.72) 63.37,47.64 v1(62.86,48.14)
  Bottom w0.203: U1.10 45.86,44.32 58.17,44.32 58.93,45.09 58.93,46.36 60.43,47.85 U2.10 ; J3.21 107.32,41.82 103.42,41.82 102.87,41.28 102.87,28.58 v1(100.46,26.16)
A_10: length 99.8
  Top w0.2: v1(62.8,29.13) 62.87,29.06 63.39,29.06 63.63,28.83 78.61,28.83 79.38,28.07 79.38,26.8 U9.19 ; v1(62.61,45.6) U2.11
  Top w0.203: U1.11 43.29,46.86 59.17,46.86 U2.11 ; U9.19 81.33,24.85 94.15,24.85 95,24 97.41,24 v1(97.54,24.13)
  Bottom w0.2: v1(62.61,45.6) 62.74,45.48 62.74,29.29 62.8,29.23 v1(62.8,29.13)
  Bottom w0.203: v1(97.54,24.13) 102.36,28.96 102.36,42.29 103,42.93 J3.22
A_11: length 102.7
  Top w0.2: U9.20 78.61,25.02 78.61,26.8 77.22,28.19 63.25,28.19 62.86,28.58 v1(62.1,28.58) ; v1(62.1,43.06) U2.12
  Top w0.203: U2.12 59.17,44.32 43.29,44.32 U1.12 ; U9.20 82.17,24 v1(93.22,24)
  Bottom w0.2: v1(62.1,28.58) v1(62.1,43.06)
  Bottom w0.203: J3.23 107.28,44.32 103.25,44.32 101.85,42.93 101.85,29.5 96.36,24 v1(93.22,24)
A_12: length 85.4
  Top w0.2: U9.22 95.76,25.65 83.57,25.65 83.44,25.78 v1(83.31,25.78)
  Top w0.203: U1.23 58.23,48.14 59.29,49.2 71.83,49.2 73.02,48.01 75.53,48.01 U2.23
  Bottom w0.2: v1(83.31,25.78) 83.31,34.93 81.53,36.7 79.12,36.7 76.96,38.86 76.96,46.85 U2.23
  Bottom w0.203: U9.22 101.35,30.48 101.35,43.94 102.87,45.47 J3.24
A_13: length 90.7
  Top w0.2: v1(84.2,27.81) 84.71,27.31 95.63,27.31 U9.23
  Top w0.203: U1.25 57.92,53.22 59.05,54.36 74.53,54.36 U2.25
  Bottom w0.2: v1(84.2,27.81) 84.07,27.94 84.07,36.96 81.79,39.24 78.87,39.24 77.47,40.64 77.47,52.07 76.32,53.22 U2.25
  Bottom w0.203: U9.23 100.84,32.51 100.84,45.09 102.66,46.9 107.32,46.9 J3.25
A_14: length 87.8
  Top w0.2: U2.26 76.82,54.61 v1(93.09,54.61) ; J3.26 102.62,48.01 100.33,45.72 v1(100.25,45.72)
  Top w0.203: U1.26 57.92,55.76 59.18,57.02 74.41,57.02 U2.26
  Bottom w0.2: v1(93.09,54.61) 93.09,31.24 93.98,30.35 U9.24 100.25,34.46 v1(100.25,45.72)
A_15: length 129
  Top w0.2: v1(93.85,56.9) 77.07,56.9 U2.27
  Top w0.203: U1.27 58.18,58.3 59.44,59.56 61.47,59.56 61.93,59.1 74.87,59.1 U2.27 ; v1(99.19,44.07) 99.31,44.2 110.74,44.2 112.01,45.47 J1.24
  Bottom w0.2: v1(93.85,56.9) 93.85,35.18 U9.25
  Bottom w0.203: U9.25 99.14,35.9 99.14,44.02 v1(99.19,44.07)
CLKVIA: length 162
  Top w0.254: J1.22 152.97,43.91 arc(153.13,44.02) 153.32,44.06 154.51,44.06 arc(154.7,44.09) 154.86,44.2 155.51,44.85 arc(155.62,45.01) 155.66,45.21 155.66,68.94 arc(155.62,69.13) 155.51,69.3 148.88,75.93 arc(148.72,76.03) 148.53,76.07 53.93,76.07 arc(53.74,76.03) 53.57,75.93 52.85,75.2 arc(52.69,75.1) 52.5,75.06 44.53,75.06 arc(44.34,75.02) 44.18,74.91 43.96,74.7 arc(43.8,74.59) 43.61,74.55 41.73,74.55 arc(41.53,74.51) 41.37,74.4 40.28,73.31 arc(40.17,73.15) 40.13,72.95 40.13,63.58 arc(40.09,63.39) 39.99,63.23 37.74,60.98 arc(37.58,60.87) 37.38,60.83 U3.15
D0.: length 84.2
  Top w0.2: v1(74.3,40.39) 74.16,40.52 U2.13 59.68,40.52 58.42,41.78 43.29,41.78 U1.13 ; J3.34 101.09,58.17 U9.33 94.74,51.82 v1(74.3,51.82)
  Bottom w0.2: v1(74.3,40.39) v1(74.3,51.82) ; U1.13 42.02,40.51 U4.18
D1.: length 87.9
  Top w0.2: v1(73.66,49.28) 94.74,49.28 U9.32 96.14,50.93 102.11,56.9 107.15,56.9 J3.33 ; U1.14 43.29,39.24 58.67,39.24 59.93,37.98 U2.14 73.52,37.98 v1(73.66,37.85)
  Bottom w0.2: v1(73.66,37.85) v1(73.66,49.28) ; U4.17 42.02,37.97 U1.14
D2.: length 84.2
  Top w0.2: J3.30 101.09,53.09 U9.31 94.74,46.74 v1(73.02,46.74) ; v1(73.02,35.31) 72.89,35.44 U2.15 59.93,35.44 58.67,36.7 43.29,36.7 U1.15
  Bottom w0.2: U4.16 42.02,35.43 U1.15 ; v1(73.02,35.31) v1(73.02,46.74)
D3.: length 82.8
  Top w0.2: U1.21 58.41,43.06 59.81,41.66 74.26,41.66 U2.21 76.92,44.32 93.22,44.32 94.49,45.59 U9.30 102.36,51.82 107.15,51.82 J3.29
  Bottom w0.2: U4.15 37.97,32.89 40.01,30.86 45.07,30.86 U1.21
D4.: length 84.6
  Top w0.2: U9.29 94.65,41.57 76.71,41.57 U2.20 74.38,39.24 59.69,39.24 58.41,40.52 U1.20 ; J3.32 102.24,55.63 v1(97.79,51.18)
  Bottom w0.2: U9.29 96.52,43.05 97.79,44.32 v1(97.79,51.18) ; U4.14 45.85,30.35 56.02,40.52 U1.20
D5.: length 92.7
  Top w0.2: U9.28 83.82,40.51 82.42,39.12 76.8,39.12 U2.19 75.15,37.47 74.68,37.47 74.17,36.96 71.6,36.96 71.34,36.7 59.69,36.7 58.41,37.98 U1.19
  Bottom w0.2: U1.19 54.75,37.98 46.36,29.59 38.73,29.59 36.96,27.81 U4.13
  Bottom w0.254: J3.31 107.01,54.22 99.3,54.22 97.03,51.94 95.25,51.94 94.49,51.18 94.49,42.16 U9.28
D6.: length 83.5
  Top w0.2: U1.18 58.56,34.16 73.41,34.16 74.69,35.44 U2.18 77.14,36.92 83.78,36.92 84.84,37.97 U9.27
  Bottom w0.2: U4.12 40.54,28.96 46.99,28.96 53.48,35.44 U1.18
  Bottom w0.203: U9.27 98.14,39.98 98.14,45.05 103.64,50.55 J3.28
